# Altium PCB DB10005_BMS.PcbDoc (part 1 of 2) (continued)
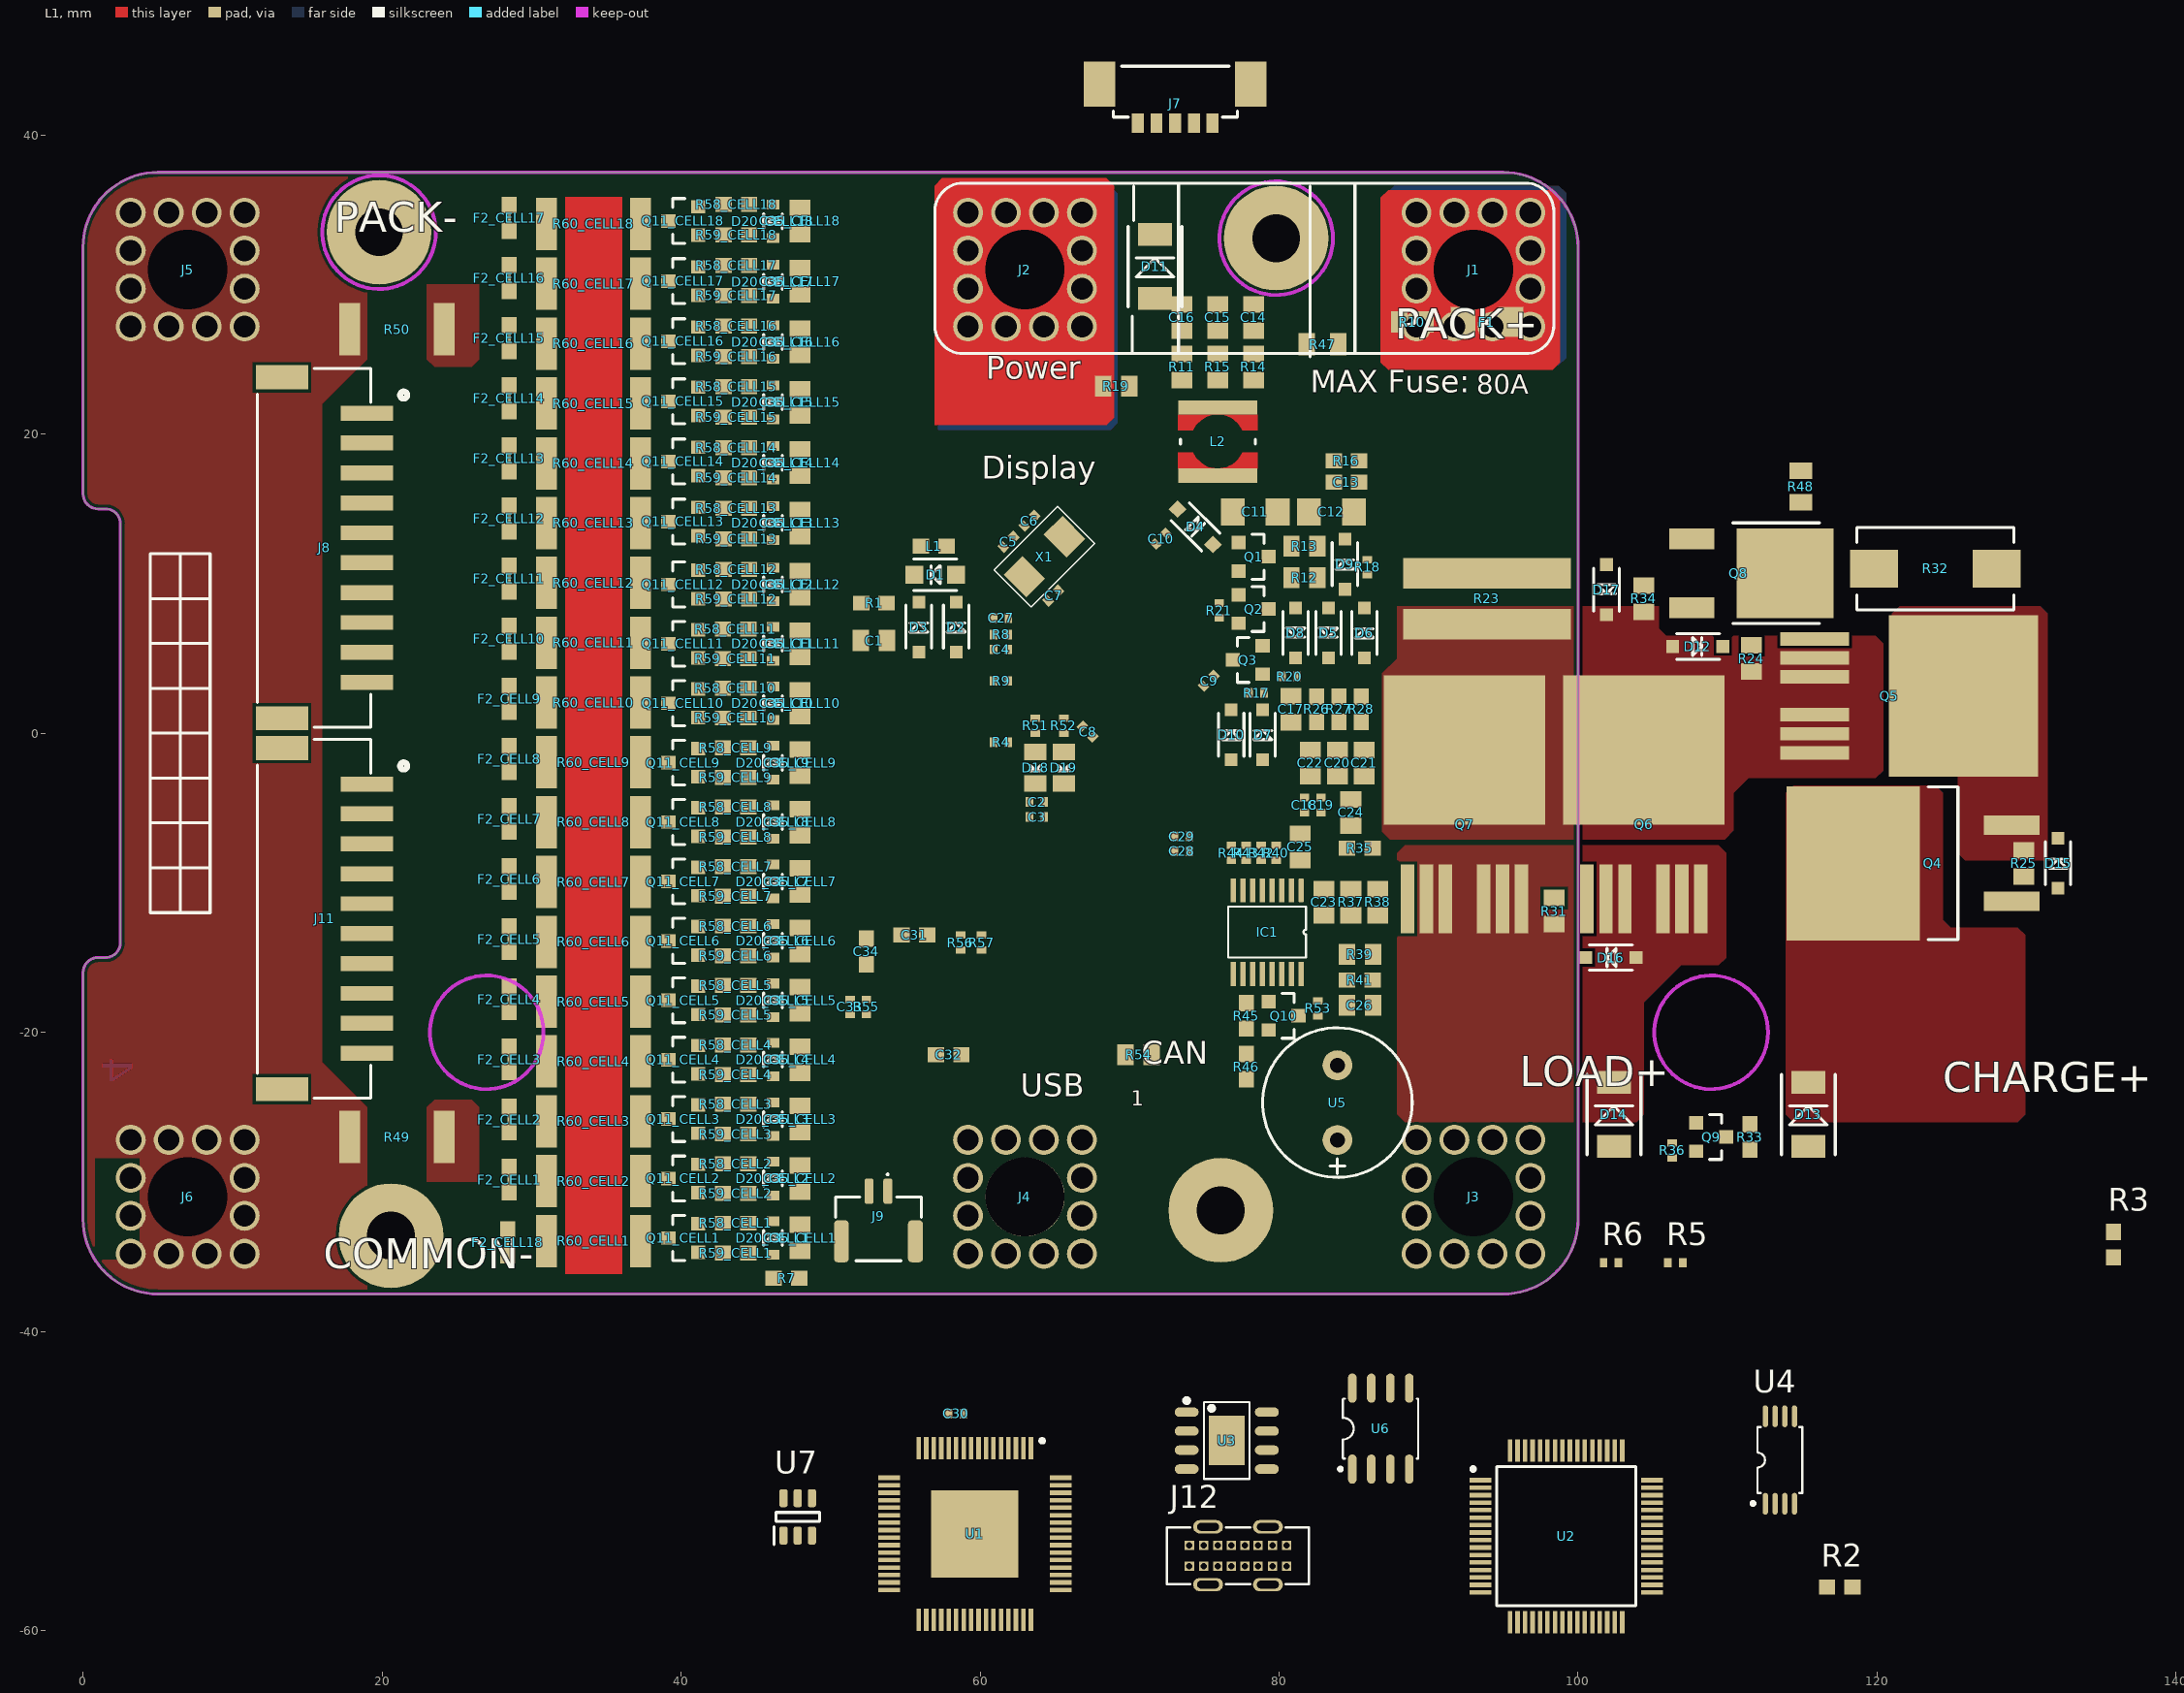
[diagram p0: L1 view]
## Design rules (kind name [scope] priority, off if disabled: settings)
Clearance Clearance_CELL [InNetClass('CELL') vs InNet('GND') OR InNet('3V3')] p1: gap=0.4 ignorepadtopadclearanceinfootprint=FALSE except(0: Arc-Hole Track-Hole SMDPad-Hole THPad-Hole Via-Hole Fill-Hole Poly-Hole Region-Hole Text-Hole)
Clearance Clearance_Polygon [All vs InPolygon] p2: gap=0.2 ignorepadtopadclearanceinfootprint=FALSE except(0: Arc-Hole Track-Hole SMDPad-Hole THPad-Hole Via-Hole Fill-Hole Poly-Hole Region-Hole Text-Hole)
Clearance [All] p3: gap=0.15 ignorepadtopadclearanceinfootprint=FALSE except(0: Arc-Hole Track-Hole SMDPad-Hole THPad-Hole Via-Hole Fill-Hole Poly-Hole Region-Hole Text-Hole)
ComponentClearance [All] p1 off: gap=0.254 collisioncheckmode=3 verticalgap=0.254 showdistances=FALSE
HoleSize [All] p1: absolutevalues=TRUE maxlimit=10 minlimit=0.2 maxpercent=80.000 minpercent=20.000
HoleToHoleClearance [All] p1: gap=0.3 allowstackedmicrovias=TRUE
MinimumSolderMaskSliver [All] p1 off: minsoldermaskwidth=0.254
PolygonConnect PolygonConnect_IC [HasFootprint('SSOP44') OR HasFootprint('LQFP48') OR HasFootprint('SO-8') OR HasFootprint('MSOP10') OR HasFootprint('TSSOP16') OR HasFootprint('PDSO8') OR HasFootprint('QFN24') OR HasFootprint('USB3075 - NOSLOT') OR HasFootprint('FSOP4')] p1: connectstyle=Relief reliefconductorwidth=0.254 reliefentries=4 polygonreliefangle="90 Angle" airgapwidth=0.2
PolygonConnect [All] p2: connectstyle=Direct reliefconductorwidth=0.254 reliefentries=4 polygonreliefangle="90 Angle" airgapwidth=0.254
RoutingVias [All] p1: holewidth=0.25 width=0.55 viastyle="Through Hole" minholewidth=0.25 minwidth=0.55 maxholewidth=8 maxwidth=10
SilkToSilkClearance [All] p1 off: silktosilkclearance=0.254
SilkToSolderMaskClearance [IsPad] p1 off: minsilkscreentomaskgap=0.254 clearancetoexposedcopper=TRUE
SolderMaskExpansion [All] p1: expansion=0.102 istentingtop=FALSE
SupplyNets "Schematic Supply Nets_4" [InNet('GND')] p1: voltage=0.000
SupplyNets "Schematic Supply Nets_3" [InNet('GND_PACK')] p2: voltage=0.000
SupplyNets "Schematic Supply Nets_2" [InNet('VDD_CP')] p3: voltage=0.000
SupplyNets "Schematic Supply Nets_1" [InNet('3V3')] p4: voltage=0.000
Width [All] p1: maxlimit=20 minlimit=0.15 preferedwidth=0.2
24 further rules are at their usual default settings.

## Classes and differential pairs
component class CELL18: C35_CELL18 D20_CELL18 F2_CELL18 Q11_CELL18 R58_CELL18 R59_CELL18 R60_CELL18
component class CELL17: C35_CELL17 D20_CELL17 F2_CELL17 Q11_CELL17 R58_CELL17 R59_CELL17 R60_CELL17
component class CELL16: C35_CELL16 D20_CELL16 F2_CELL16 Q11_CELL16 R58_CELL16 R59_CELL16 R60_CELL16
component class CELL15: C35_CELL15 D20_CELL15 F2_CELL15 Q11_CELL15 R58_CELL15 R59_CELL15 R60_CELL15
component class CELL14: C35_CELL14 D20_CELL14 F2_CELL14 Q11_CELL14 R58_CELL14 R59_CELL14 R60_CELL14
component class CELL13: C35_CELL13 D20_CELL13 F2_CELL13 Q11_CELL13 R58_CELL13 R59_CELL13 R60_CELL13
net class CELL: B+ BATT+ C1 C2 C3 C4 C5 C6 C7 C8 C9 C10 C11 C12 C13 C14 C15 C16 C17 C18 CHARGEIN CN2 CN3 CN4 CN5 CN6 CN7 CN8 CN9 CN10 CN11 CN12 CN13 CN14 CN15 CN16 CN17 CN18 CP18 LOADOUT NetC1_2 NetD1_2 NetD12_2 NetD15_2 NetD16_2 NetD17_1 NetF1_1 NetIC1_12 NetIC1_14 NetIC1_16 NetQ8_D S1 S2 S3 S4 S5 S6 S7 S8 S9 S10 S11 S12 S13 S14 S15 S16 S17 S18 VBATTSENSED
net class S[1..18]: S1 S2 S3 S4 S5 S6 S7 S8 S9 S10 S11 S12 S13 S14 S15 S16 S17 S18
net class CP[1..18]: CN2 CN3 CN4 CN5 CN6 CN7 CN8 CN9 CN10 CN11 CN12 CN13 CN14 CN15 CN16 CN17 CN18 CP18
channel class DB10005_CellNode: CELL1 CELL2 CELL3 CELL4 CELL5 CELL6 CELL7 CELL8 CELL9 CELL10 CELL11 CELL12 CELL13 CELL14 CELL15 CELL16 CELL17 CELL18
net class C[1..18]: C1 C2 C3 C4 C5 C6 C7 C8 C9 C10 C11 C12 C13 C14 C15 C16 C17 C18
net class CN[1..18]: CN1 CN2 CN3 CN4 CN5 CN6 CN7 CN8 CN9 CN10 CN11 CN12 CN13 CN14 CN15 CN16 CN17 CN18
net class CM[1..18]: C1 C2 C3 C4 C5 C6 C7 C8 C9 C10 C11 C12 C13 C14 C15 C16 C17 CM1
component class CELL12: C35_CELL12 D20_CELL12 F2_CELL12 Q11_CELL12 R58_CELL12 R59_CELL12 R60_CELL12
component class CELL11: C35_CELL11 D20_CELL11 F2_CELL11 Q11_CELL11 R58_CELL11 R59_CELL11 R60_CELL11
component class CELL10: C35_CELL10 D20_CELL10 F2_CELL10 Q11_CELL10 R58_CELL10 R59_CELL10 R60_CELL10
component class CELL9: C35_CELL9 D20_CELL9 F2_CELL9 Q11_CELL9 R58_CELL9 R59_CELL9 R60_CELL9
component class CELL8: C35_CELL8 D20_CELL8 F2_CELL8 Q11_CELL8 R58_CELL8 R59_CELL8 R60_CELL8
component class CELL7: C35_CELL7 D20_CELL7 F2_CELL7 Q11_CELL7 R58_CELL7 R59_CELL7 R60_CELL7
component class CELL6: C35_CELL6 D20_CELL6 F2_CELL6 Q11_CELL6 R58_CELL6 R59_CELL6 R60_CELL6
component class CELL5: C35_CELL5 D20_CELL5 F2_CELL5 Q11_CELL5 R58_CELL5 R59_CELL5 R60_CELL5
component class CELL4: C35_CELL4 D20_CELL4 F2_CELL4 Q11_CELL4 R58_CELL4 R59_CELL4 R60_CELL4
component class CELL3: C35_CELL3 D20_CELL3 F2_CELL3 Q11_CELL3 R58_CELL3 R59_CELL3 R60_CELL3
component class CELL2: C35_CELL2 D20_CELL2 F2_CELL2 Q11_CELL2 R58_CELL2 R59_CELL2 R60_CELL2
component class CELL1: C35_CELL1 D20_CELL1 F2_CELL1 Q11_CELL1 R58_CELL1 R59_CELL1 R60_CELL1
component class "Battery stack monitor": C1 C2 C3 D1 D2 D3 L1 R1 R2 R3 R4 R5 R6 R7 U1
component class "USB - Serial": C31 C32 C33 C34 J12 R55 R56 R57 U7
component class PowerSwitch: C18 C19 C20 C21 C22 C23 C24 C25 C26 C27 D11 D12 D13 D14 D15 D16 D17 IC1 Q4 Q5 Q6 Q7 Q8 Q9 R22 R23 R24 R25 R26 R27 R28 R31 R32 R33 R34 R35 R36 R37 R38 R39 R40 R41 R42 R43 R44 R45 R46 R47 R48 U4
component class "Power management": C11 C12 C13 C14 C15 C16 C17 D4 D5 D6 D7 D8 D9 D10 L2 Q1 Q2 Q3 R10 R11 R12 R13 R14 R15 R16 R17 R18 R19 R20 R21 TP1 U3
component class DB10005_TopLevel: D18 D19 F1 J1 J2 J3 J4 J5 J6 J7 J8 J9 J10 J11 Q10 R49 R50 R51 R52 R53 TP2 U5
component class Controller: C4 C5 C6 C7 C8 C9 C10 R8 R9 U2 X1
component class CAN: C28 C29 C30 R54 U6

## Components (designator, comment, footprint, x,y, rotation, side; value= is the part's Value field where it differs from the comment)
C1 "100nF" C-0805 52.9,6.2 r180 top
C2 "1uF" C0402 63.8,-4.6 r180 top
C3 "1uF" C0402 63.8,-5.6 r180 top
C4 "100nF" C0402 61.4,5.6 r0 top
C5 "18pF" C0402 61.9,12.8 r225 top
C6 "18pF" C0402 63.3,14.2 r45 top
C7 "100nF" C0402 64.9,9.2 r225 top
C8 "100nF" C0402 67.2,0.1 r315 top
C9 "100nF" C0402 75.3,3.5 r45 top
C10 "100nF" C0402 72.1,13 r225 top
C11 "1uF" C-1206 78.4,14.8 r0 top
C12 "1uF" C-1206 83.5,14.8 r180 top
C13 "47nF" C0603 84.5,16.8 r180 top
C14 "10uF" C-0805 78.3,27.8 r270 top
C15 "10uF" C-0805 75.9,27.8 r270 top
C16 "10uF" C-0805 73.5,27.8 r270 top
C17 "2.2uF" C-0805 80.8,1.6 r90 top
C18 "100nF" C0402 81.7,-4.8 r270 top
C19 "1uF" C0402 82.8,-4.8 r270 top
C20 "100nF" C-0805 83.9,-2 r90 top
C21 "100nF" C-0805 85.7,-2 r90 top
C22 "100nF" C-0805 82.1,-2 r90 top
C23 "2.2uF" C-0805 83,-11.3 r90 top
C24 "10nF" C-0805 84.8,-5.3 r270 top
C25 "10nF" C-0805 81.4,-7.6 r270 top
C26 "10nF" C-0805 85.4,-18.2 r180 top
C27 "100nF" C0402 61.4,7.7 r0 top
C28 "100nF" C0402 73.5,-7.9 r0 top
C29 "1uF" C0402 73.5,-6.9 r0 top
C30 "1uF" C0402 58.4,-45.5 r0 top
C31 "2.2uF" C0603 55.6,-13.5 r180 top
C32 "2.2uF" C0603 57.9,-21.5 r180 top
C33 "100nF" C0402 51.3,-18.3 r90 top
C34 "2.2uF" C0603 52.4,-14.6 r270 top
C35_CELL1 "100nF" C-0805 47.95,-33.75 r90 top (schematic designator C35)
C35_CELL2 "100nF" C-0805 47.95,-29.777 r90 top (schematic designator C35)
C35_CELL3 "100nF" C-0805 47.95,-25.805 r90 top (schematic designator C35)
C35_CELL4 "100nF" C-0805 47.95,-21.832 r90 top (schematic designator C35)
C35_CELL5 "100nF" C-0805 47.95,-17.859 r90 top (schematic designator C35)
C35_CELL6 "100nF" C-0805 47.95,-13.886 r90 top (schematic designator C35)
C35_CELL7 "100nF" C-0805 47.95,-9.914 r90 top (schematic designator C35)
C35_CELL8 "100nF" C-0805 47.95,-5.941 r90 top (schematic designator C35)
C35_CELL9 "100nF" C-0805 47.95,-1.968 r90 top (schematic designator C35)
C35_CELL10 "100nF" C-0805 47.95,2.005 r90 top (schematic designator C35)
C35_CELL11 "100nF" C-0805 47.95,5.977 r90 top (schematic designator C35)
C35_CELL12 "100nF" C-0805 47.95,9.95 r90 top (schematic designator C35)
C35_CELL13 "100nF" C-0805 47.95,14.05 r90 top (schematic designator C35)
C35_CELL14 "100nF" C-0805 47.95,18.09 r90 top (schematic designator C35)
C35_CELL15 "100nF" C-0805 47.95,22.13 r90 top (schematic designator C35)
C35_CELL16 "100nF" C-0805 47.95,26.17 r90 top (schematic designator C35)
C35_CELL17 "100nF" C-0805 47.95,30.21 r90 top (schematic designator C35)
C35_CELL18 "100nF" C-0805 47.95,34.25 r90 top (schematic designator C35)
D1 "BZT52H-C62" SOD123W 57,10.6 r180 top
D2 "1N4148W" SOD123 58.4,7.1 r90 top
D3 "1N4148W" SOD123 55.9,7.1 r90 top
D4 "BZT52C16" SOD123 74.4,13.8 r315 top
D5 "1N4148W" SOD123 83.3,6.7 r270 top
D6 "1N4148W" SOD123 85.7,6.7 r90 top
D7 "1N4148W" SOD123 78.9,-0.1 r90 top
D8 "1N4148W" SOD123 81.1,6.7 r270 top
D9 "1N4148W" SOD123 84.4,11.3 r90 top
D10 "BZT52C16" SOD123 76.8,-0.1 r90 top
D11 "SMBJ70A-TR" SMB 71.7,31.2 r90 top
D12 "BZT52C16" SOD123 108,5.8 r0 top
D13 "SMBJ70A-TR" SMB 115.4,-25.5 r90 top
D14 "SMBJ70A-TR" SMB 102.4,-25.5 r90 top
D15 "BZT52C16" SOD123 132.1,-8.7 r90 top
D16 "BZT52C16" SOD123 102.2,-15 r180 top
D17 "BZT52C16" SOD123 101.9,9.6 r270 top
D18 "Green" D-0805 63.7,-2.3 r270 top
D19 "Green" D-0805 65.6,-2.3 r270 top
D20_CELL1 "PDZ7.5B" SOD-323 46.15,-33.75 r90 top (schematic designator D20)
D20_CELL2 "PDZ7.5B" SOD-323 46.15,-29.777 r90 top (schematic designator D20)
D20_CELL3 "PDZ7.5B" SOD-323 46.15,-25.805 r90 top (schematic designator D20)
D20_CELL4 "PDZ7.5B" SOD-323 46.15,-21.832 r90 top (schematic designator D20)
D20_CELL5 "PDZ7.5B" SOD-323 46.15,-17.859 r90 top (schematic designator D20)
D20_CELL6 "PDZ7.5B" SOD-323 46.15,-13.886 r90 top (schematic designator D20)
D20_CELL7 "PDZ7.5B" SOD-323 46.15,-9.914 r90 top (schematic designator D20)
D20_CELL8 "PDZ7.5B" SOD-323 46.15,-5.941 r90 top (schematic designator D20)
D20_CELL9 "PDZ7.5B" SOD-323 46.15,-1.968 r90 top (schematic designator D20)
D20_CELL10 "PDZ7.5B" SOD-323 46.15,2.005 r90 top (schematic designator D20)
D20_CELL11 "PDZ7.5B" SOD-323 46.15,5.977 r90 top (schematic designator D20)
D20_CELL12 "PDZ7.5B" SOD-323 46.15,9.95 r90 top (schematic designator D20)
D20_CELL13 "PDZ7.5B" SOD-323 46.15,14.05 r90 top (schematic designator D20)
D20_CELL14 "PDZ7.5B" SOD-323 46.15,18.085 r90 top (schematic designator D20)
D20_CELL15 "PDZ7.5B" SOD-323 46.15,22.12 r90 top (schematic designator D20)
D20_CELL16 "PDZ7.5B" SOD-323 46.15,26.155 r90 top (schematic designator D20)
D20_CELL17 "PDZ7.5B" SOD-323 46.15,30.19 r90 top (schematic designator D20)
D20_CELL18 "PDZ7.5B" SOD-323 46.15,34.225 r90 top (schematic designator D20)
F1 "200mA, 125V" F1206 92.3,27.5 r0 top
F2_CELL1 "PCB Fuse" 0603_Fuse_0_2MM 28.5,-29.85 r90 top (schematic designator F2)
F2_CELL2 "PCB Fuse" 0603_Fuse_0_2MM 28.5,-25.831 r90 top (schematic designator F2)
F2_CELL3 "PCB Fuse" 0603_Fuse_0_2MM 28.5,-21.813 r90 top (schematic designator F2)
F2_CELL4 "PCB Fuse" 0603_Fuse_0_2MM 28.5,-17.794 r90 top (schematic designator F2)
F2_CELL5 "PCB Fuse" 0603_Fuse_0_2MM 28.5,-13.775 r90 top (schematic designator F2)
F2_CELL6 "PCB Fuse" 0603_Fuse_0_2MM 28.5,-9.756 r90 top (schematic designator F2)
F2_CELL7 "PCB Fuse" 0603_Fuse_0_2MM 28.5,-5.738 r90 top (schematic designator F2)
F2_CELL8 "PCB Fuse" 0603_Fuse_0_2MM 28.5,-1.719 r90 top (schematic designator F2)
F2_CELL9 "PCB Fuse" 0603_Fuse_0_2MM 28.5,2.3 r90 top (schematic designator F2)
F2_CELL10 "PCB Fuse" 0603_Fuse_0_2MM 28.5,6.319 r90 top (schematic designator F2)
F2_CELL11 "PCB Fuse" 0603_Fuse_0_2MM 28.5,10.337 r90 top (schematic designator F2)
F2_CELL12 "PCB Fuse" 0603_Fuse_0_2MM 28.5,14.356 r90 top (schematic designator F2)
F2_CELL13 "PCB Fuse" 0603_Fuse_0_2MM 28.5,18.375 r90 top (schematic designator F2)
F2_CELL14 "PCB Fuse" 0603_Fuse_0_2MM 28.5,22.394 r90 top (schematic designator F2)
F2_CELL15 "PCB Fuse" 0603_Fuse_0_2MM 28.5,26.412 r90 top (schematic designator F2)
F2_CELL16 "PCB Fuse" 0603_Fuse_0_2MM 28.5,30.431 r90 top (schematic designator F2)
F2_CELL17 "PCB Fuse" 0603_Fuse_0_2MM 28.5,34.45 r90 top (schematic designator F2)
F2_CELL18 "PCB Fuse" 0603_Fuse_0_2MM 28.4,-34.05 r90 top (schematic designator F2)
IC1 "BQ76200PW" TSSOP16 79.2,-13.3 r270 top
J1 "M5 Bush" "7460408_HAL Surface"#1 93,31 r0 top
J2 "M5 Bush" "7460408_HAL Surface"#1 63,31 r0 top
J3 "M5 Bush" "7460408_HAL Surface"#1 93,-31 r0 top
J4 "M5 Bush" "7460408_HAL Surface"#2 63,-31 r0 top
J5 "M5 Bush" "7460408_HAL Surface"#1 7,31 r0 top
J6 "M5 Bush" "7460408_HAL Surface"#1 7,-31 r0 top
J7 "53398-0571" 53398-0571 73.05,43.4 r180 top
J8 "S10B-PH-SM4-TB_LF__SN_" S10B-PH-SM4-TB 19,13.4 r90 top
J9 "1.25-2PWTDK" BM02B-GHS-TBT_1 53.2,-32.3 r0 top
J10 "53261-0571" 53261-0571 72,27.55 r0 bottom
J11 "S10B-PH-SM4-TB_LF__SN_" S10B-PH-SM4-TB 19,-11.4 r90 top
J12 "TYPE-C 16PLC-H10.0" TYPE-C-TH_16PLC-H10.0 77.25,-55 r180 top
L1 "BLM18PG330SN1D" L0603 56.9,12.5 r180 top
L2 "47uH 1A" "WE-TPC 4828, MH" 75.9,19.5 r90 top
Q1 "BSS123" SOT-23 78.3,11.8 r270 top
Q2 "BSS123" SOT-23 78.3,8.3 r270 top
Q3 "BSS123" SOT-23 77.9,4.9 r90 top
Q4 "IRF4905SPBF" D2-PAK 122.4,-8.7 r90 top
Q5 "IRFS7530-7PPBF" D2PAK7 122,2.5 r270 top
Q6 "IRFS7530-7PPBF" D2PAK7 104.4,-4.9 r0 top
Q7 "IRFS7530-7PPBF" D2PAK7 92.4,-4.9 r0 top
Q8 "IRFR6215" D-PAK 111.1,10.7 r270 top
Q9 "BSS123" SOT-23 108.9,-27 r270 top
Q10 "BSS123" SOT-23 80.3,-18.9 r270 top
Q11_CELL1 "TSM2323" SOT-23 40.15,-33.75 r90 top (schematic designator Q11)
Q11_CELL2 "TSM2323" SOT-23 40.15,-29.777 r90 top (schematic designator Q11)
Q11_CELL3 "TSM2323" SOT-23 40.15,-25.805 r90 top (schematic designator Q11)
Q11_CELL4 "TSM2323" SOT-23 40.15,-21.832 r90 top (schematic designator Q11)
Q11_CELL5 "TSM2323" SOT-23 40.15,-17.859 r90 top (schematic designator Q11)
Q11_CELL6 "TSM2323" SOT-23 40.15,-13.886 r90 top (schematic designator Q11)
Q11_CELL7 "TSM2323" SOT-23 40.15,-9.914 r90 top (schematic designator Q11)
Q11_CELL8 "TSM2323" SOT-23 40.15,-5.941 r90 top (schematic designator Q11)
Q11_CELL9 "TSM2323" SOT-23 40.15,-1.968 r90 top (schematic designator Q11)
Q11_CELL10 "TSM2323" SOT-23 40.15,2.005 r90 top (schematic designator Q11)
Q11_CELL11 "TSM2323" SOT-23 40.15,5.977 r90 top (schematic designator Q11)
Q11_CELL12 "TSM2323" SOT-23 40.15,9.95 r90 top (schematic designator Q11)
Q11_CELL13 "TSM2323" SOT-23 40.15,14.15 r90 top (schematic designator Q11)
Q11_CELL14 "TSM2323" SOT-23 40.15,18.17 r90 top (schematic designator Q11)
Q11_CELL15 "TSM2323" SOT-23 40.15,22.19 r90 top (schematic designator Q11)
Q11_CELL16 "TSM2323" SOT-23 40.15,26.21 r90 top (schematic designator Q11)
Q11_CELL17 "TSM2323" SOT-23 40.15,30.23 r90 top (schematic designator Q11)
Q11_CELL18 "TSM2323" SOT-23 40.15,34.25 r90 top (schematic designator Q11)
R1 "100R" 0603 52.9,8.7 r180 top
R2 "0R" 0603 117.498,-57.101 r0 top
R3 "0R" 0603 135.798,-34.201 r90 top
R4 "1M" 0402 61.4,-0.6 r0 top
R5 "20K" 0402 106.498,-35.401 r0 top
R6 "100R" 0402 102.198,-35.401 r0 top
R7 "0R" 0603 47.05,-36.45 r180 top
R8 "10k" 0402 61.4,6.6 r180 top
R9 "1.5k" 0402 61.4,3.5 r0 top
R10 "15R" 0805#1 88.9,27.5 r0 top
R11 "1R" 0805#1 73.5,24.5 r270 top
R12 "4.7M" 0805#1 81.7,10.4 r0 top
R13 "4.7M" 0805#1 81.7,12.5 r180 top
R14 "1R" 0805#1 78.3,24.5 r270 top
R15 "1R" 0805#1 75.9,24.5 r270 top
R16 "130K" 0603 84.5,18.2 r180 top
R17 "10k" 0402 78.5,2.7 r180 top
R18 "10k" 0402 85.9,11.1 r270 top
R19 "100R" 0805#1 69.1,23.2 r180 top
R20 "1M" 0402 80.7,3.8 r180 top
R21 "10k" 0402 76,8.2 r270 top
R22 "1mOhm" FCSL110 100,9 r0 bottom
R23 "1mOhm" FCSL110 93.9,9 r180 top
R24 "4.7M" 0805#1 111.6,5 r90 top
R25 "4.7M" 0805#1 129.8,-8.7 r270 top
R26 "10R" 0603 82.5,1.6 r90 top
R27 "10R" 0603 84,1.6 r90 top
R28 "10R" 0603 85.5,1.6 r90 top
R31 "4.7M" 0805#1 98.4,-11.9 r270 top
R32 "18R" SM_3 123.9,11 r0 top
R33 "33K" 0603 111.5,-27 r90 top
R34 "4.7M" 0805#1 104.4,9 r90 top
R35 "100R" 0603 85.4,-7.7 r0 top
R36 "4.75k" 0402 106.3,-27.9 r90 top
R37 "100R" 0805#1 84.8,-11.3 r90 top
R38 "100R" 0805#1 86.6,-11.3 r90 top
R39 "100R" 0805#1 85.4,-14.8 r0 top
R40 "10k" 0402 79.8,-8 r270 top
R41 "100R" 0603 85.4,-16.5 r0 top
R42 "10k" 0402 78.8,-8 r270 top
R43 "10k" 0402 77.8,-8 r270 top
R44 "10k" 0402 76.8,-8 r270 top
R45 "33K" 0603 77.8,-18.9 r270 top
R46 "2.2K" 0603 77.8,-22.3 r90 top
R47 "NTCS0805E4104JMT" 0805#2 82.9,26 r180 top
R48 "NTCS0805E4104JMT" 0805#2 114.9,16.5 r90 top
R49 "15R" 2512 21,-27 r0 top
R50 "15R" 2512 21,27 r0 top
R51 "470" 0402 63.7,0.5 r90 top
R52 "470" 0402 65.6,0.5 r90 top
R53 "1.5k" 0402 82.6,-18.4 r270 top
R54 "120R" 0805#1 70.6,-21.5 r0 top
R55 "10k" 0402 52.4,-18.3 r270 top
R56 "240" 0402 58.7,-14 r270 top
R57 "240" 0402 60.1,-14 r270 top
R58_CELL1 "100R" 0603 43.65,-32.763 r0 top (schematic designator R58)
R58_CELL2 "100R" 0603 43.65,-28.789 r0 top (schematic designator R58)
R58_CELL3 "100R" 0603 43.65,-24.815 r0 top (schematic designator R58)
R58_CELL4 "100R" 0603 43.65,-20.841 r0 top (schematic designator R58)
R58_CELL5 "100R" 0603 43.65,-16.867 r0 top (schematic designator R58)
R58_CELL6 "100R" 0603 43.65,-12.893 r0 top (schematic designator R58)
R58_CELL7 "100R" 0603 43.65,-8.92 r0 top (schematic designator R58)
R58_CELL8 "100R" 0603 43.65,-4.946 r0 top (schematic designator R58)
R58_CELL9 "100R" 0603 43.65,-0.972 r0 top (schematic designator R58)
R58_CELL10 "100R" 0603 43.65,3.002 r0 top (schematic designator R58)
R58_CELL11 "100R" 0603 43.65,6.976 r0 top (schematic designator R58)
R58_CELL12 "100R" 0603 43.7,10.95 r0 top (schematic designator R58)
R58_CELL13 "100R" 0603 43.7,15.035 r0 top (schematic designator R58)
R58_CELL14 "100R" 0603 43.7,19.098 r0 top (schematic designator R58)
R58_CELL15 "100R" 0603 43.7,23.161 r0 top (schematic designator R58)
R58_CELL16 "100R" 0603 43.7,27.224 r0 top (schematic designator R58)
R58_CELL17 "100R" 0603 43.7,31.287 r0 top (schematic designator R58)
R58_CELL18 "100R" 0603 43.7,35.35 r0 top (schematic designator R58)
R59_CELL1 "3.3K" 0603 43.65,-34.75 r0 top (schematic designator R59)
R59_CELL2 "3.3K" 0603 43.65,-30.776 r0 top (schematic designator R59)
R59_CELL3 "3.3K" 0603 43.65,-26.802 r0 top (schematic designator R59)
R59_CELL4 "3.3K" 0603 43.65,-22.828 r0 top (schematic designator R59)
R59_CELL5 "3.3K" 0603 43.65,-18.854 r0 top (schematic designator R59)
R59_CELL6 "3.3K" 0603 43.65,-14.88 r0 top (schematic designator R59)
R59_CELL7 "3.3K" 0603 43.65,-10.907 r0 top (schematic designator R59)
R59_CELL8 "3.3K" 0603 43.65,-6.933 r0 top (schematic designator R59)
R59_CELL9 "3.3K" 0603 43.65,-2.959 r0 top (schematic designator R59)
R59_CELL10 "3.3K" 0603 43.65,1.015 r0 top (schematic designator R59)
R59_CELL11 "3.3K" 0603 43.65,4.989 r0 top (schematic designator R59)
R59_CELL12 "3.3K" 0603 43.7,8.963 r0 top (schematic designator R59)
R59_CELL13 "3.3K" 0603 43.7,13.004 r0 top (schematic designator R59)
R59_CELL14 "3.3K" 0603 43.7,17.067 r0 top (schematic designator R59)
R59_CELL15 "3.3K" 0603 43.7,21.13 r0 top (schematic designator R59)
R59_CELL16 "3.3K" 0603 43.7,25.193 r0 top (schematic designator R59)
R59_CELL17 "3.3K" 0603 43.7,29.256 r0 top (schematic designator R59)
R59_CELL18 "3.3K" 0603 43.7,33.319 r0 top (schematic designator R59)
R60_CELL1 "15R" 2512 34.15,-33.95 r0 top (schematic designator R60)
R60_CELL2 "15R" 2512 34.15,-29.95 r0 top (schematic designator R60)
R60_CELL3 "15R" 2512 34.15,-25.95 r0 top (schematic designator R60)
R60_CELL4 "15R" 2512 34.15,-21.95 r0 top (schematic designator R60)
R60_CELL5 "15R" 2512 34.15,-17.95 r0 top (schematic designator R60)
R60_CELL6 "15R" 2512 34.15,-13.95 r0 top (schematic designator R60)
R60_CELL7 "15R" 2512 34.15,-9.95 r0 top (schematic designator R60)
R60_CELL8 "15R" 2512 34.15,-5.95 r0 top (schematic designator R60)
R60_CELL9 "15R" 2512 34.15,-1.95 r0 top (schematic designator R60)
R60_CELL10 "15R" 2512 34.15,2.05 r0 top (schematic designator R60)
R60_CELL11 "15R" 2512 34.15,6.05 r0 top (schematic designator R60)
R60_CELL12 "15R" 2512 34.15,10.05 r0 top (schematic designator R60)
R60_CELL13 "15R" 2512 34.15,14.05 r0 top (schematic designator R60)
R60_CELL14 "15R" 2512 34.15,18.05 r0 top (schematic designator R60)
R60_CELL15 "15R" 2512 34.15,22.05 r0 top (schematic designator R60)
R60_CELL16 "15R" 2512 34.15,26.05 r0 top (schematic designator R60)
R60_CELL17 "15R" 2512 34.15,30.05 r0 top (schematic designator R60)
R60_CELL18 "15R" 2512 34.15,34.05 r0 top (schematic designator R60)
TP1 "1.3TP" TP2-1.3MM 79.5,22 r90 bottom
TP2 "1.3TP" TP2-1.3MM 79.5,25 r270 bottom
U1 "LTC6813HLWE-1#3ZZPBF" QFP50P1200X1200X160-65N 59.65,-53.538 r270 top
U2 "STM32L476RCT6" QFP50P1200X1200X160-64N 99.2,-53.7 r0 top
U3 "EG1192L" ESOP-8_L4.9-W3.9-P1.27-LS6.0-BL-EP-1 76.5,-47.3 r270 top
U4 "INA240A1PWR" TSSOP-8 113.498,-48.601 r0 top
U5 "AI-1027-TWT-5V" AI-1027-TWT 83.9,-24.7 r90 top
U6 "TJA1042T/1J" SOP-8 86.8,-46.5 r0 top
U7 "USBLC6-2SC6" SOT95P280X145-6N 47.8,-52.4 r90 top
X1 "8MHz" XTAL150SMD_125X196 64.3,11.8 r45 top

## Footprints (in the part's own frame and the unit in brackets; to place one, negate y for a bottom-side part, rotate by r counter-clockwise, add the part's x,y. Pads: shape width x height; smd on the part's side, far side on the other; paste and mask are expansions set on the pad)
0402 [mm]
  rect 0.5x0.635 smd: 1(-0.5,0) 2(0.5,0)
  body extent -0.5,-0.25 0.5,0.25, height 0.25
0603 [mm]
  rect 1.1x1 smd: 1(-0.85,0) 2(0.85,0)
  body extent -0.95,-0.45 0.95,0.45, height 0.45
0603_Fuse_0_2MM [mm]
  rect 1.1x1 smd paste-1: 1(-0.85,0) 1(0.85,0)
  rect 1x0.2 smd paste-0.1: 1(0,0)
0805#1 [mm]
  rect 1.1x1.4 smd: 1(-0.875,0) 2(0.875,0)
  body extent -1.01,-0.64 1.01,0.64, height 0.6
0805#2 [mm]
  rect 1.1x1.5 smd: 1(-1.05,0) 2(1.05,0)
  body extent -1.01,-0.64 1.01,0.64, height 0.6
2512 [mm]
  rect 1.4x3.5 smd: 1(-3.15,0) 2(3.15,0)
  body extent -3.2,-1.6 3.2,1.6, height 0.6
53261-0571 [mm]
  rect 2.1x3 smd: 0(-5.05,0) 0(5.05,0)
  rect 0.8x1.6 smd: 1(-2.5,2.95) 2(-1.25,2.95) 3(0,2.95) 4(1.25,2.95) 5(2.5,2.95)
  silkscreen extent -4.3,-2 4.3,2.2, body extent -5.7,-2 5.7,3.2, height 3.41
53398-0571 [mm]
  rect 2.1x3 smd: 0(-5.05,0) 0(5.05,0)
  rect 0.8x1.3 smd: 1(-2.5,2.6) 2(-1.25,2.6) 3(0,2.6) 4(1.25,2.6) 5(2.5,2.6)
  silkscreen extent -4.15,-1.2 4.15,2.2, body extent -5.7,-1.15 5.7,3.05, height 4.71
"7460408_HAL Surface"#1 [mm] "M5, thr 6mm"
  round 2 hole 1.45: 1(-3.81,-3.81) 1(-3.81,-1.27) 1(-3.81,1.27) 1(-3.81,3.81) 1(-1.27,-3.81) 1(-1.27,3.81) 1(1.27,-3.81) 1(1.27,3.81) 1(3.81,-3.81) 1(3.81,-1.27) 1(3.81,1.27) 1(3.81,3.81)
  round 0 hole 5.3: 1(0,0)
  body extent -4.5,-4.5 4.5,4.5, height 6
"7460408_HAL Surface"#2 [mm] "M5, thr 6mm"
  round 2 hole 1.45: 1(-3.81,-3.81) 1(-3.81,-1.27) 1(-3.81,1.27) 1(-3.81,3.81) 1(-1.27,-3.81) 1(-1.27,3.81) 1(1.27,-3.81) 1(1.27,3.81) 1(3.81,-3.81) 1(3.81,-1.27) 1(3.81,1.27) 1(3.81,3.81)
  round 5.3 hole 5.3: 1(0,0)
  body extent -4.5,-4.5 4.5,4.5, height 6
AI-1027-TWT [mm] "Buzzer low profile"
  round 2 hole 1: N(2.5,0) P(-2.5,0)
  silkscreen extent -5,-5 5,5, body extent -5,-5 5,5, height 5.5
BM02B-GHS-TBT_1 [mm]
  rrect50% 0.6x1.7 smd: 1(0.625,1.675) 2(-0.625,1.675)
  rrect50% 1x2.8 smd: 3(-2.475,-1.675) 4(2.475,-1.675)
  silkscreen extent -2.87,-2.98 2.88,2.83, body extent -2.87,-2.87 2.88,2.09, height 4.06
C0402 [mm]
  rect 0.5x0.635 smd: 1(-0.5,0) 2(0.5,0)
  body extent -0.5,-0.25 0.5,0.25, height 0.5
C0603 [mm]
  rect 1.1x1 smd: 1(-0.85,0) 2(0.85,0)
  body extent -0.95,-0.45 0.95,0.45, height 0.45
C-0805 [mm]
  rect 1.1x1.4 smd: 1(-0.875,0) 2(0.875,0)
  body extent -1.01,-0.64 1.01,0.64, height 0.6
C-1206 [mm]
  rect 1.6x1.8 smd: 1(-1.5,0) 2(1.5,0)
  body extent -1.61,-0.81 1.61,0.81, height 0.45
D2-PAK [mm]
  rect 10.3x8.9 smd paste-5: D(0,4)
  rect 1.3x3.7 smd: G(-2.54,-6.6) S(2.54,-6.6)
  silkscreen extent -5.1,-3 5.1,-1, body extent -5.08,-7.82 5.08,7.45, height 4.88
D2PAK7 [mm]
  rect 10.8x10 smd paste-5: D(0,3.775)
  rect 0.9x4.6 smd: G(-3.81,-6.175) S(-2.537,-6.175) S(-1.27,-6.175) S(1.27,-6.175) S(2.54,-6.175) S(3.81,-6.175)
  body extent -5,-7.8 5,7.87, height 4.81
D-0805 [mm]
  rect 1.1x1.5 smd: A(-1.05,0) K(1.05,0)
  silkscreen extent -0.15,-0.4 0.2,0.4, body extent -1.01,-0.64 1.01,0.64, height 0.6
D-PAK [mm]
  rect 6x6.5 smd paste-5: D(0,2.75)
  rect 1.4x3 smd: G(-2.3,-3.5) S(2.3,-3.5)
  silkscreen extent -3.36,-0.76 3.36,5.04, body extent -3.29,-4.25 3.29,5.45, height 2.47
ESOP-8_L4.9-W3.9-P1.27-LS6.0-BL-EP-1 [mm]
  oval 0.63x1.6 smd: 1(-1.905,-2.682) 2(-0.635,-2.682) 3(0.635,-2.682) 4(1.905,-2.682) 5(1.905,2.682) 6(0.635,2.682) 7(-0.635,2.682) 8(-1.905,2.682)
  rect 3.3x2.4 smd paste+0 mask+0.05: 9(0,0)
  silkscreen extent -2.82,-2.83 2.58,1.52, body extent -2.45,-3 2.45,3, height 1.5
F1206 [mm]
  rect 1.65x2.03 smd: 1(0,0) 2(3.2,0)
  body extent 0,-0.8 3.2,0.8, height 0.61
FCSL110 [mm] "Current shunt"
  rect 11.2x2.05 smd: 0(0,-1.7) 1(0,1.7)
  body extent -5.5,-2.5 5.5,2.5, height 0.5
L0603 [mm]
  rect 1.1x1 smd: 1(-0.85,0) 2(0.85,0)
  body extent -0.95,-0.45 0.95,0.45, height 0.45
QFP50P1200X1200X160-64N [mm]
  rect 1.475x0.3 smd: 1(-5.738,3.75) 2(-5.738,3.25) 3(-5.738,2.75) 4(-5.738,2.25) 5(-5.738,1.75) 6(-5.738,1.25) 7(-5.738,0.75) 8(-5.738,0.25) 9(-5.738,-0.25) 10(-5.738,-0.75) 11(-5.738,-1.25) 12(-5.738,-1.75) 13(-5.738,-2.25) 14(-5.738,-2.75) 15(-5.738,-3.25) 16(-5.738,-3.75) 33(5.738,-3.75) 34(5.738,-3.25) 35(5.738,-2.75) 36(5.738,-2.25) 37(5.738,-1.75) 38(5.738,-1.25) 39(5.738,-0.75) 40(5.738,-0.25) 41(5.738,0.25) 42(5.738,0.75) 43(5.738,1.25) 44(5.738,1.75) 45(5.738,2.25) 46(5.738,2.75) 47(5.738,3.25) 48(5.738,3.75)
  rect 0.3x1.475 smd: 17(-3.75,-5.738) 18(-3.25,-5.738) 19(-2.75,-5.738) 20(-2.25,-5.738) 21(-1.75,-5.738) 22(-1.25,-5.738) 23(-0.75,-5.738) 24(-0.25,-5.738) 25(0.25,-5.738) 26(0.75,-5.738) 27(1.25,-5.738) 28(1.75,-5.738) 29(2.25,-5.738) 30(2.75,-5.738) 31(3.25,-5.738) 32(3.75,-5.738) 49(3.75,5.738) 50(3.25,5.738) 51(2.75,5.738) 52(2.25,5.738) 53(1.75,5.738) 54(1.25,5.738) 55(0.75,5.738) 56(0.25,5.738) 57(-0.25,5.738) 58(-0.75,5.738) 59(-1.25,5.738) 60(-1.75,5.738) 61(-2.25,5.738) 62(-2.75,5.738) 63(-3.25,5.738) 64(-3.75,5.738)
  silkscreen extent -6.35,-4.65 4.65,4.65, body extent -6,-6 6,6, height 1.31
QFP50P1200X1200X160-65N [mm]
  rect 1.475x0.3 smd: 1(-5.738,3.75) 2(-5.738,3.25) 3(-5.738,2.75) 4(-5.738,2.25) 5(-5.738,1.75) 6(-5.738,1.25) 7(-5.738,0.75) 8(-5.738,0.25) 9(-5.738,-0.25) 10(-5.738,-0.75) 11(-5.738,-1.25) 12(-5.738,-1.75) 13(-5.738,-2.25) 14(-5.738,-2.75) 15(-5.738,-3.25) 16(-5.738,-3.75) 33(5.738,-3.75) 34(5.738,-3.25) 35(5.738,-2.75) 36(5.738,-2.25) 37(5.738,-1.75) 38(5.738,-1.25) 39(5.738,-0.75) 40(5.738,-0.25) 41(5.738,0.25) 42(5.738,0.75) 43(5.738,1.25) 44(5.738,1.75) 45(5.738,2.25) 46(5.738,2.75) 47(5.738,3.25) 48(5.738,3.75)
  rect 0.3x1.475 smd: 17(-3.75,-5.738) 18(-3.25,-5.738) 19(-2.75,-5.738) 20(-2.25,-5.738) 21(-1.75,-5.738) 22(-1.25,-5.738) 23(-0.75,-5.738) 24(-0.25,-5.738) 25(0.25,-5.738) 26(0.75,-5.738) 27(1.25,-5.738) 28(1.75,-5.738) 29(2.25,-5.738) 30(2.75,-5.738) 31(3.25,-5.738) 32(3.75,-5.738) 49(3.75,5.738) 50(3.25,5.738) 51(2.75,5.738) 52(2.25,5.738) 53(1.75,5.738) 54(1.25,5.738) 55(0.75,5.738) 56(0.25,5.738) 57(-0.25,5.738) 58(-0.75,5.738) 59(-1.25,5.738) 60(-1.75,5.738) 61(-2.25,5.738) 62(-2.75,5.738) 63(-3.25,5.738) 64(-3.75,5.738)
  rect 5.84x5.84 smd: 65(0,0)
  silkscreen extent -6.35,4.38 -6.1,4.63, body extent -6,-6 6,6, height 1.6
S10B-PH-SM4-TB [mm]
  rect 1x3.5 smd: 1(8,0) 2(6,0) 3(4,0) 4(2,0) 5(0,0) 6(-2,0) 7(-4,0) 8(-6,0) 9(-8,0) 10(-10,0)
  rect 1.6x3.5 smd: 11(-12.4,5.7) 12(10.4,5.7)
  silkscreen extent -13,-2.68 11,7.35
SM_3 [mm]
  rect 3.2x2.5 smd: 1(-4.1,0) 2(4.1,0)
  silkscreen extent -5.25,-2.75 5.25,2.75, body extent -5.4,-2.75 5.4,2.75, height 5.05
SMB [mm]
  rect 1.52x2.3 smd: 1(-2.14,0) 2(2.14,0)
  silkscreen extent -2.7,-1.8 2.7,1.8, body extent -2.7,-1.8 2.7,1.8, height 2.3
SOD123 [mm]
  rect 0.85x0.85 smd: 1(-1.675,0) 2(1.675,0)
  silkscreen extent -1.43,-0.85 1.45,0.85, body extent -1.95,-0.9 1.95,0.9, height 1.18
SOD123W [mm]
  rect 1.2x1.2 smd: 1(-1.4,0) 2(1.4,0)
  silkscreen extent -1.43,-1.05 1.45,1.05, body extent -1.95,-0.9 1.95,0.9, height 1.18
SOD-323 [mm]
  rect 0.65x0.85 smd: 1(-1.125,0) 2(1.125,0)
  silkscreen extent -0.5,-0.63 0.5,0.63, body extent -1.3,-0.67 1.3,0.67, height 1.1
SOP-8 [mil] "SOP-8"
  oval 22.4x76.81 smd: 1(-75,-106.5) 2(-25,-106.5) 3(25,-106.5) 4(75,-106.5) 5(75,106.5) 6(25,106.5) 7(-25,106.5) 8(-75,106.5)
  silkscreen extent -110,-111 98,79, body extent -96,-118 96,118, height 69
SOT95P280X145-6N [mm]
  rrect50% 1.2x0.55 smd: 1(-1.25,0.95) 2(-1.25,0) 3(-1.25,-0.95) 4(1.25,-0.95) 5(1.25,0) 6(1.25,0.95)
  silkscreen extent -1.85,-1.46 0.3,1.58, body extent -1.4,-1.46 1.4,1.46, height 1.45
SOT-23 [mm]
  rect 0.9x0.95 smd: D(0,1) G(-0.95,-1) S(0.95,-1)
  silkscreen extent -1.5,-0.1 1.5,0.7, body extent -1.5,-1.32 1.5,1.32, height 1.08
TP2-1.3MM [mm] "Test pin"
  round 1.3 smd paste-1 mask+0.051: 1(0,0)
  silkscreen extent -0.85,-0.85 0.85,0.85
TSSOP16 [mm]
  rrect50% 1.6x0.35 smd: 1(-2.8,2.275)
  rect 1.6x0.35 smd: 2(-2.8,1.625) 3(-2.8,0.975) 4(-2.8,0.325) 5(-2.8,-0.325) 6(-2.8,-0.975) 7(-2.8,-1.625) 8(-2.8,-2.275) 9(2.8,-2.275) 10(2.8,-1.625) 11(2.8,-0.975) 12(2.8,-0.325) 13(2.8,0.325) 14(2.8,0.975) 15(2.8,1.625) 16(2.8,2.275)
  silkscreen extent -1.7,-2.6 1.7,2.6, body extent -3.14,-2.5 3.14,2.5, height 1.09
TSSOP-8 [mm] "TSSOP-8"
  oval 0.353x1.453 smd: 1(-0.975,-2.926) 2(-0.325,-2.926) 3(0.325,-2.926) 4(0.975,-2.926) 5(0.975,2.926) 6(0.325,2.926) 7(-0.325,2.926) 8(-0.975,2.926)
  silkscreen extent -1.9,-3 1.5,2.2, body extent -1.5,-3.2 1.5,3.2, height 1.2
TYPE-C-TH_16PLC-H10.0 [mm]
  rect 0.62x0.62 hole 0.42 paste-2539.97 mask+0.05: A1(-3.25,0.7) A4(-2.3,0.7) A5(-1.35,0.7) A6(-0.45,0.7) A7(0.45,0.7) A8(1.35,0.7) A9(2.3,0.7) A12(3.25,0.7) B1(3.25,-0.7) B4(2.3,-0.7) B5(1.35,-0.7) B6(0.45,-0.7) B7(-0.45,-0.7) B8(-1.35,-0.7) B9(-2.3,-0.7) B12(-3.25,-0.7)
  oval 2x0.9 hole 0.5 slot 1.45 at 0 deg paste-2539.97 mask+0.05: A2(-2,1.93) A10(2,1.93) B2(2,-1.93) B10(-2,-1.93)
  silkscreen extent -4.75,-1.9 4.75,1.9, body extent -4.47,-2.08 4.47,2.08, height 10
"WE-TPC 4828, MH" [mm] "SMD Inductor, 2-Leads, Body 4,8x4,8mm"
  rect 0.95x5.3 smd: 1(-2.275,0) 2(2.275,0)
  L1 region: -1.8,2.65 -0.75,2.65 -0.75,1.65 -0.85,1.6 -1.1,1.45 -1.4,1.15 -1.55,0.95 -1.7,0.65 -1.75,0.45 -1.8,0
  L1 region: 1.8,2.65 0.75,2.65 0.75,1.65 0.95,1.55 1.1,1.45 1.45,1.1 1.6,0.85 1.65,0.75 1.75,0.45 1.8,0
  L1 region: 1.8,-2.65 0.75,-2.65 0.75,-1.65 1,-1.5 1.2,-1.35 1.45,-1.1 1.55,-0.95 1.7,-0.65 1.75,-0.45 1.8,0
  L1 region: -1.8,-2.65 -0.75,-2.65 -0.75,-1.65 -1,-1.5 -1.2,-1.35 -1.35,-1.2 -1.5,-1 -1.65,-0.7 -1.7,-0.6 -1.75,-0.4 -1.8,0
  silkscreen extent -0.15,-2.5 0.15,2.5, body extent -2.4,-2.4 2.4,2.4, height 2.79
XTAL150SMD_125X196 [mil] "XTAL150SMD_125X196"
  rect 70x85 smd mask+2: 1(-74.8,0) 2(74.8,0)
  silkscreen extent -118,-69 118,69, body extent -120,-69 120,69, height 57

## Part data
C1 C20 C21 C22 C35_CELL1 C35_CELL2 C35_CELL3 C35_CELL4 C35_CELL5 C35_CELL6 C35_CELL7 C35_CELL8 C35_CELL9 C35_CELL10 C35_CELL11 C35_CELL12 C35_CELL13 C35_CELL14 C35_CELL15 C35_CELL16 C35_CELL17 C35_CELL18: library part 100nF/0805/CER/100V, "Capacitor, 100nF, 100V, X7R", Capacitance Tolerance="± 10%", Capacitor Case Style=0805, Dielectric Characteristic=X7R, Temperature Range="-55°C to +125°C", Voltage Rating=100V, Brand=KEMET, Brand Number=C0805C104K1RACTU, Capacitance=100nF, Order Code Supplier=1650862, Price=0,096, Supplier=Farnell
C2 C3 C19 C29 C30: library part 1uF/0402/CER/6.3V, "Capacitor, 1uF, 6.3V, X5R", Capacitance Tolerance="± 10%", Capacitor Case Style=0402, Dielectric Characteristic=X5R, Temperature Range="-55°C to +85°C", Voltage Rating=6V3, Brand=AVX, Brand Number=04026D105KAT2A, Capacitance=1uF, Order Code Supplier=1327658, Price=0,0874, Supplier=Farnell
C4 C7 C8 C9 C10 C18 C27 C28 C33: library part 100nF/0402/CER/25V, "Capacitor, 100nF, 25V, X7R", Capacitance Tolerance=10nF, Capacitor Case Style=0402, Dielectric Characteristic=X7R, Temperature Range="-55 to +125 C", Voltage Rating=25V, Brand=MULTICOMP, Brand Number=GRM155R71E104KE14D, Capacitance=100nF, Order Code Supplier=2456106, Price=0,0225, Supplier=Farnell
C5 C6: library part 18pF/0402/CER/50V, "Capacitor, 18pF, 50V, NP0", Capacitance Tolerance="± 5%", Capacitor Case Style=0402, Dielectric Characteristic=NP0, Temperature Range="-55°C to 125°C", Voltage Rating=50V, Brand=MURATA, Brand Number=GRM1555C1H180JA01D, Capacitance=18pF, Order Code Supplier=1828876, Price=0,0177, Supplier=Farnell
C11 C12: library part 1uF/1206/CER/100V, "Capacitor, 1uF, 100V, X7R", Capacitance Tolerance="± 10%", Capacitor Case Style=1206, Dielectric Characteristic=X7R, Temperature Range="-55°C to +125°C", Voltage Rating=100V, Brand=AVX, Brand Number=12061C105K4Z2A, Capacitance=1uF, Order Code Supplier=1833855, Price=0,52, Supplier=Farnell
C13: library part 47nF/0603/CER/50V, "Capacitor, 47nF, 50V, X7R", Capacitance Tolerance="± 10%", Capacitor Case Style=0603, Dielectric Characteristic=X7R, Temperature Range="-55°C to +125°C", Voltage Rating=50V, Brand=MULTICOMP, Brand Number=MCCA000249, Capacitance=47nF, Order Code Supplier=1759116, Price=0,009, Supplier=Farnell
C14 C15 C16: library part 10uF/0805/CER/10V, "Capacitor, 10uF, 10V, X7R", Capacitance Tolerance="± 10%", Capacitor Case Style=0805, Dielectric Characteristic=X7R, Temperature Range="-55°C to +125°C", Voltage Rating=10V, Brand=MURATA, Brand Number=GRM21BR71A106KE51L, Capacitance=10uF, Order Code Supplier=1828828, Price=0,36, Supplier=Farnell